# Altium PCB MLB_REV1.PcbDoc (part 2 of 4)
Units mm, origin at the board's own origin, x right, y up, seen from the top; angles counter-clockwise.
Board outline 150 x 100 mm, 4 copper layers (Top Layer, GND, Power, Bottom Layer), stack 0.603 mm thick; 296 components, 218 nets, 1001 pads, 657 vias.
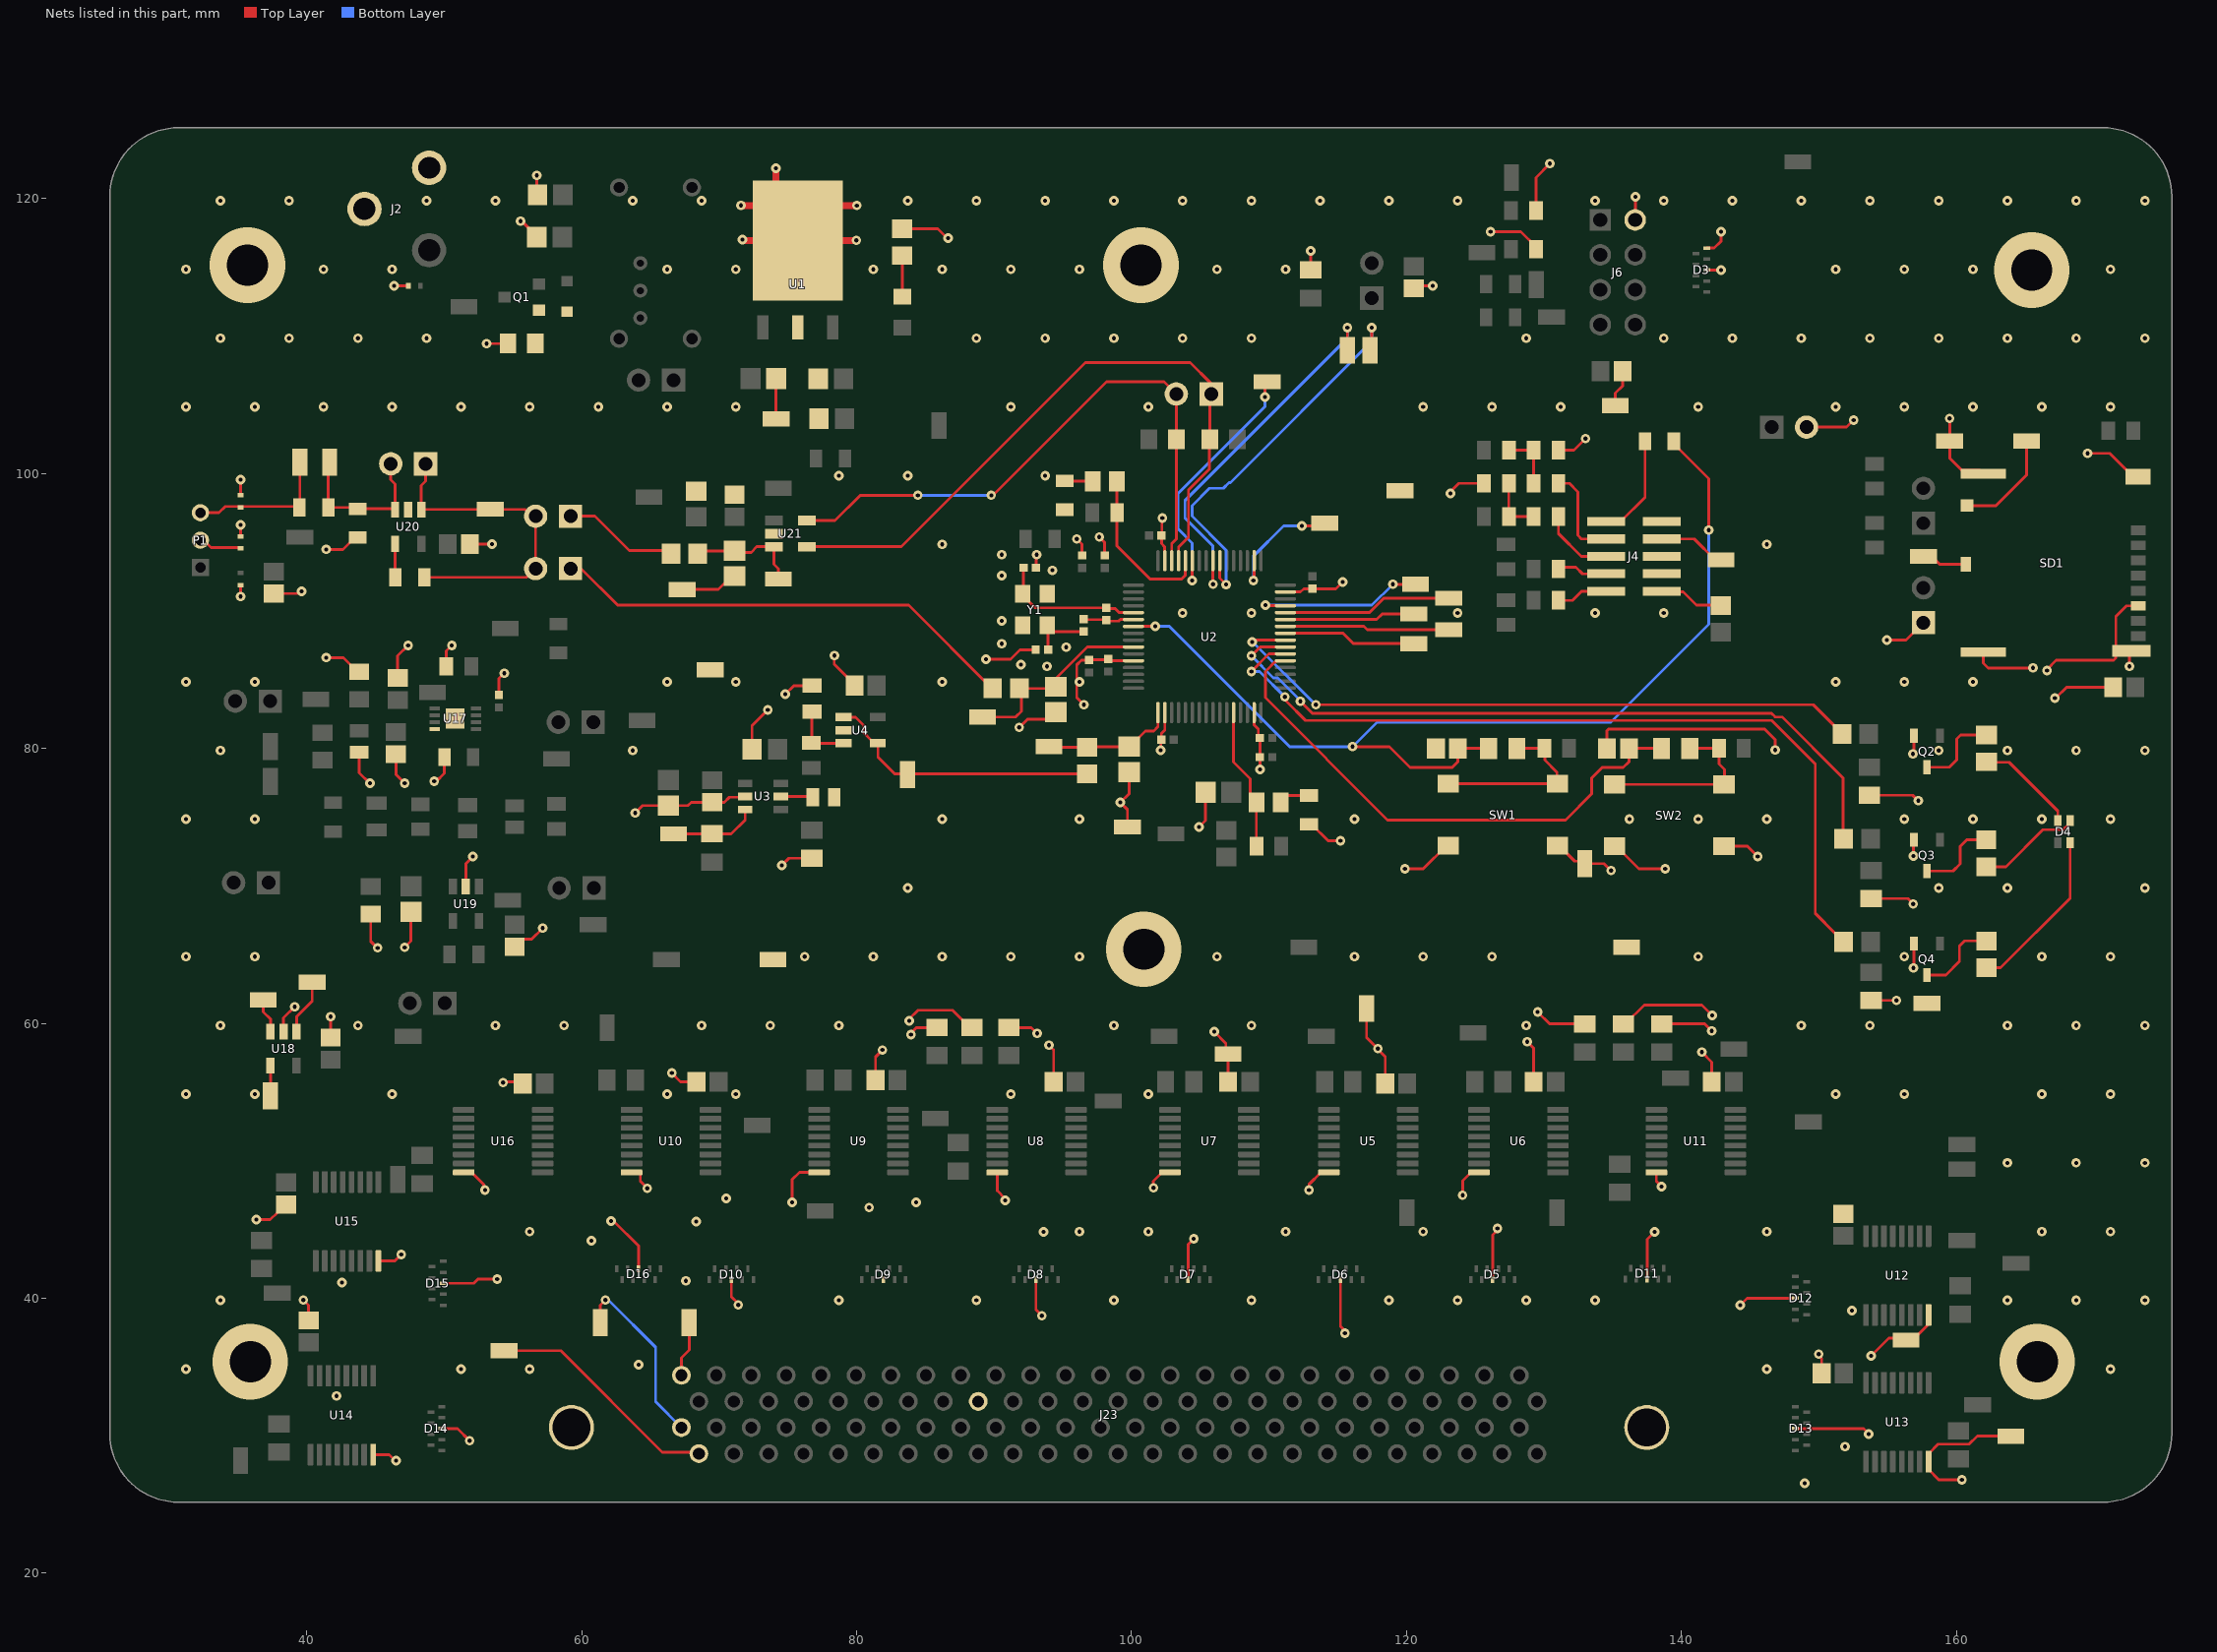
[diagram p4: the nets of this part, all layers, seen from the top]

## Part data (continued)
DS1: library part CMP-2000-05655-1, "Single Color, 2 V, -30 to 85 degC, 2-Pin SMD (0805), RoHS, Tape and Reel", Emitting Color=YellowGreen, Forward Current=25mA, Forward Voltage=2.4V, Manufacturer=Dialight, Manufacturer Part Number=5988170107F, Operating Temp Range=-30Cto85C, Operating Temperature Classification=Commercial, Package Description="2-Pin Surface Mount Device, Body 2 x 1.25 mm", Package Reference=0805, Package Type=SMD, Power Dissipation=60W, Reverse Voltage=5V, Supplier Part Number=350-2044-1-ND, Test Current (It)=20mA, Chip Material=GaP, Datasheet URL=https://datasheet.ciiva.com/22748/1484480-22748121.pdf, Datasheet Version=10/2008, DELETED=Compliant, Dominant Wave Length=570nm, High Brightness=No, Lens Dimensions=1.4x1.25x0.4mm, Lum Intensity=20mcd, Luminous Intensity=20mcd, Main Category=ChipLED, Manufacturer URL=http://www.dialight.com/, Mounting=SurfaceMount, Mounting Technology=SurfaceMount, Number of  Elements=1, Packaging=TapeandReel, Pin Count=2, Product Depth (mm)=1.25mm, Product Height (mm)=0.7mm, Product Length (mm)=2mm, Rad Hardened=No, Shape Type=Rectangular, Supplier=Digi-Key, Type=Uni-Color, Viewing Angle=140deg
J1: "No Description Available", Manufacturer="Nidec Copal Electronics", Supplier Part Number=563-1556-ND, Copyright="Copyright (C) 2022 Ultra Librarian. All rights reserved.", Manufacturer Part Number=MFS101D-8-Z, RefDes=RefDes, Supplier=Digi-Key, Type=DEV
J2: "Through Hole Right Angle DC Power Jack, 5 A, 2.5 mm Center Pin, 3 Position, -25 to 85 degC, RoHS, Bulk", Current Rating=5A, Flammability Rating=UL94V-0, Insulation Resistance=100MOhms, Manufacturer="CUI Devices", Operating Temperature Range=-25Cto+85C, Package Description="3-Pin Through Hole Device, Body 14.4 x 9 mm, Height 11 mm", Supplier Part Number=CP-102BH-ND, Voltage Rating=24V, Brand=CUI, Connector Type=DCPowerJack, Contact Gender=Male, Contact Material=Copper, Contact Plating=Nickel, Datasheet URL=http://www.cui.com/product/resource/pj-102bh.pdf, Datasheet Version="Rev. 1.02, 05/2016", Factory Pack Quantity=280, Housing Material=PolybutyleneTerephthalate(PBT), Inside Contact Diameter=2.5mm, Manufacturer Part Number=PJ-102BH, Manufacturer URL=http://www.cui.com/, Mounting Angle=Right, Mounting Style=ThroughHole, Mounting Technology=ThroughHole, Outside Contact Diameter=6.5mm, Package Reference=PJ-102BH, Product=Jacks, Product Category=DCPowerConnectors, RoHS=True, Supplier=Digi-Key, Termination Style=ThroughHole
J3 J8 J9 J10 J11 J12 J13 J15 J18 J19 J22 J25 J28 J29: "Connector Header Through Hole 2 position", Manufacturer="TE Connectivity AMP Connectors", Package=None, Supplier Part Number=A121364-ND, Availability=Unavailable, EU_RoHS_Compliance=Compliant, Manufacturer Part Number=4-103328-1, MF="TE Connectivity", MP=4-103328-1, Price=None, SnapEDA_Link=https://www.snapeda.com/parts/4-103328-1/TE%20Connectivity%20AMP%20Connectors/view-part/2384420/?ref=snap, Supplier=Digi-Key, TE_purchase_URL=https://www.te.com/usa-en/product-4-103328-1.html?te_bu=Cor&te_type=disp&te_campaign=seda_glo_cor-seda-global-disp-prtnr-fy19-seda-model-bom-cta_sma-317_1&elqCampaignId=32493
J4: "CONN HEADER SMD 10POS 1.27MM", Manufacturer="CNC Tech", Supplier Part Number=1175-1629-ND, Manufacturer Part Number=3220-10-0300-00, Supplier=Digi-Key
J6: "CONN HDR 8POS 0.1 TIN PCB", Current Rating=3A, Manufacturer="Sullins Connector Solutions", Supplier Part Number=S7072-ND, Temperature="-40°C to +105°C", Temperature Range High=+105°C, Temperature Range Low=-40°C, Voltage Rating=250V, Automotive=No, Category=Conn, ComponentLink2Description=Datasheet, ComponentLink2URL=https://drawings-pdf.s3.amazonaws.com/10492.pdf, Conn Gender=Female, Conn Orientation=Straight, Contact Material=Tin,Nickel, Device Class L1=Connectors, Device Class L2="Headers and Wire Housings", Device Class L3=unset, Digikey Description="CONN HDR 8POS 0.1 TIN PCB", Height=8.65mm, Is Female=yes, Lead Free=Yes, Manufacturer Part Number=PPTC042LFBN-RC, Number Of Contacts=8, Number Of Rows=2, Octopart=https://octopart.com/pptc042lfbn-rc-sullins-271088, Package=PPTC042LFBN-RC, Pitch=2.54mm, RoHS=TRUE, Supplier=Digi-Key
J23: "No Description Available", Manufacturer="TE Connectivity AMP Connectors", Mfr_Name="TE Connectivity", Supplier Part Number=A35091-ND, Copyright="Copyright (C) 2022 Ultra Librarian. All rights reserved.", Digi-Key_Part_Number_1=A35091-ND, Manufacturer Part Number=1-787082-8, Manufacturer_Part_Number=1-787082-8, RefDes=RefDes, Supplier=Digi-Key, Type=DEV
P1: library part CMP-2000-05595-1, "Male Header, Pitch 2 mm, 1 x 3 Position, Height 5.5 mm, Tail Length 3.2 mm, -40 to 105 degC, RoHS, Bulk", Manufacturer=Molex, Manufacturer Part Number=0353630360, Package Description="Male Header, Pitch 2 mm, 1 x 3 Position, Height 5.5 mm, Tail Length 3.2 mm", Supplier Part Number=WM18932-ND, Category=ConnectorHeadersandPCBReceptacles, Datasheet URL=http://www.molex.com/pdm_docs/sd/353630360_sd.pdf, Datasheet Version="Rev. G, 01/2012", Gender=HDR, Manufacturer URL=http://www.molex.com/, Mounting Technology=ThroughHole, Number Of Contacts=3, Number Of Rows=1, Package Reference=35363-0360, Pitch=2mm, Supplier=Digi-Key, Termination Method=Solder, Type=WiretoBoard
Q1: "MOSFET (P-Channel)", Manufacturer="Alpha & Omega Semiconductors", Supplier Part Number=785-1016-1-ND, Arrow Part Number=AO3423, Arrow Price/Stock=https://www.arrow.com/en/products/ao3423/alpha-and-omega-semiconductor?region=nac, Datasheet Link=http://www.aosmd.com/pdfs/datasheet/AO3423.pdf, Height=1.25mm, Manufacturer Part Number=AO3423, Supplier=Digi-Key
Q2 Q3 Q4: "No Description Available", Mfr_Name="ROHM Semiconductor", Copyright="Copyright (C) 2022 Ultra Librarian. All rights reserved.", Digi-Key_Part_Number_1=RK7002BMT116CT-ND, Digi-Key_Part_Number_2=RK7002BMT116DKR-ND, Digi-Key_Part_Number_3=RK7002BMT116TR-ND, Manufacturer_Part_Number=RK7002BMT116, RefDes=RefDes, Type=DEV
R1 R2 R3 R4 R13 R14 R15 R22 R25 R28 R29 R30 R31 R32 R34 R53 R76 R81 R82: library part CMP-1659-00013-4, "Chip Resistor, 10 KOhm, +/- 1%, 0.125 W, -55 to 155 degC, 0805 (2012 Metric), RoHS, Tape and Reel", Manufacturer=Yageo, Max Operating Temperature="155 degC", Min Operating Temperature="-55 degC", Package Quantity=5000, Tolerance=1%, Voltage Rating="150 V", ComponentLink1Description="Manufacturer URL", ComponentLink1URL=http://www.yageo.com/, ComponentLink2Description=Datasheet, ComponentLink2URL=http://www.yageo.com/documents/recent/PYu-RC_Group_51_RoHS_L_04.pdf, DatasheetVersion="Rev. 4, 02/2016", Height="0.5 mm", Length="2 mm", Manufacturer Part Number=RC0805FR-0710KL, Mount="Surface Mount", Mounting Technology="Surface Mount", PackageDescription="2-Pin Surface Mounted Device, Body 2 x 1.25 mm", PackageReference=0805, Packaging="Tape and Reel", Pins=2, REACH SVHC="No SVHC", RoHSCompliant=true, Supplier=Digi-Key, Supplier Part Number=RC0805FR-0710KL
R5 R12 R37 R38 R40 R41 R43 R44 R47 R48 R54: library part CMP-26527-001731-1, "100Ω ±1% 0.125W 0805 Thick Film Chip Resistor AEC-Q200 compliant", Case Code (Imperial)=0805, Case Code (Metric)=2012, Manufacturer="Stackpole Electronics Inc", Max Operating Temperature=155°C, Max Power Dissipation=125mW, Min Operating Temperature=-55°C, Power Rating=250mW, Resistance=100R, Resistor Type="Thick Film", Supplier Part Number=RMCF0805FT100RCT-ND, Temperature Coefficient=100ppm/°C, Tolerance=1%, Case/Package=0805, Construction=Rectangular, Contact Plating=Tin, Depth=1.25mm, Features="Automotive AEC-Q200", Height=0.026inch, Lead Free="Lead Free", Length=2mm, Manufacturer Part Number=RMCF0805FT100R, Military Standard=Not, Mount="Surface Mount", Number of Terminations=2, Packaging="Tape and Reel", Radiation Hardening=No, RoHS Compliant=Yes, Series=RMCF, Size Code=0805, Supplier=Digi-Key, Width=0.049inch
R6 R7 R8 R9: library part CMP-1659-00015-4, "Chip Resistor, 33 Ohm, +/- 1%, 0.125 W, -55 to 155 degC, 0805 (2012 Metric), RoHS, Tape and Reel", Manufacturer=Yageo, Max Operating Temperature="155 degC", Min Operating Temperature="-55 degC", Package Quantity=5000, Package Reference=0805, Resistance=33R, Supplier Part Number=311-33.0CRCT-ND, Tolerance=1%, Voltage Rating="150 V", ComponentLink1Description="Manufacturer URL", ComponentLink1URL=http://www.yageo.com/, ComponentLink2Description=Datasheet, ComponentLink2URL=http://www.yageo.com/documents/recent/PYu-RC_Group_51_RoHS_L_04.pdf, DatasheetVersion="Rev. 4, 02/2016", Height="0.5 mm", Length="2 mm", Manufacturer Part Number=RC0805FR-0733RL, Mount="Surface Mount", Mounting Technology="Surface Mount", PackageDescription="2-Pin Surface Mounted Device, Body 2 x 1.25 mm", PackageReference=0805, Packaging="Tape and Reel", Pins=2, REACH SVHC="No SVHC", RoHSCompliant=true, Supplier=Digi-Key
R10 R17 R20 R27 R33 R35 R74 R75 R85 R88 R89 R91 R92 R94: library part CMP-26527-000017-1, "RES 0 OHM JUMPER 1/8W 0805", Case Code (Imperial)=0805, Case Code (Metric)=2012, Manufacturer="Stackpole Electronics Inc", Max Operating Temperature=155°C, Max Power Dissipation=125mW, Min Operating Temperature=-55°C, Resistance=0R, Supplier Part Number=RMCF0805ZT0R00CT-ND, Case/Package=0805, Composition="Thick Film", Contact Plating=Tin, Depth=1.25mm, Features="Automotive AEC-Q200", Height=0.026inch, Lead Free="Lead Free", Length=2mm, Manufacturer Part Number=RMCF0805ZT0R00, Military Standard=Not, Mount="Surface Mount", Number of Terminations=2, Packaging="Tape and Reel", Power Rating=125mW, Radiation Hardening=No, Supplier=Digi-Key, Width=0.049inch
R11 R18 R19 R77 R79: library part CMP-2100-03671-1, "Chip Resistor, 1 KOhm, +/- 1%, 125 mW, -55 to 155 degC, 0805 (2012 Metric), RoHS, Tape and Reel", Case Code (Imperial)=0805, Case Code (Metric)=2012, Manufacturer=Yageo, Max Operating Temperature=155degC, Max Power Dissipation=125mW, Min Operating Temperature=-55degC, Package Description="2-Pin Surface Mounted Device, Body 2 x 1.25 mm", Package Quantity=1, Resistance=1K, Supplier Part Number=311-1.00KCRCT-ND, Temperature Coefficient=100ppm/degreesC, Tolerance=1%, Voltage Rating=150V, Case/Package=0805, Composition=ThickFilm, Datasheet URL=http://www.yageo.com/NewPortal/yageodocoutput?fileName=/pdf/R-Chip/PYu-RC_Group_51_RoHS_L_5.pdf, Datasheet Version="Rev. 5, 10/2016", Depth=1.25mm, Height=0.024inch, Lead Free=LeadFree, Length=0.079inch, Manufacturer Part Number=RC0805FR-071KL, Manufacturer URL=http://www.yageo.com/, Military Standard=Not, Number of Pins=2, Number of Terminations=2, Package Reference=0805, Packaging=TapeandReel, Power Rating=125mW, REACH SVHC=Unknown, RoHSCompliant=true, Supplier=Digi-Key, Termination=SMD/SMT, Voltage Rating (DC)=150V, Width=0.049inch
R16 R24: library part CMP-2001-00216-1_1, Manufacturer=Panasonic, Package Reference=0805, Resistance=510, Supplier Part Number=P510CCT-ND, Tolerance=1%, Manufacturer Part Number=ERJ-6ENF5100V, Supplier=Digi-Key
R21: library part CMP-03211-005885-1, "Res Thick Film 0402 1M Ohm 1% 0.063W(1/16W) ±100ppm/C Pad SMD Automotive T/R", Ambient Temperature Range High=+70°C, Manufacturer="TE Connectivity Passive Product", Package=CRGCQ0402, Package Reference=0402, Power Rating=0.0625W, Resistance=1MΩ, Supplier Part Number=A129663CT-ND, Temperature="-55°C to +155°C", Temperature Coefficient=±100ppm/°C, Temperature Range High=+155°C, Temperature Range Low=-55°C, Tolerance=1%, Voltage Rating=50V, Automotive=Yes, Category=Res, ComponentLink2Description=Datasheet, ComponentLink2URL=https://www.te.com/commerce/DocumentDelivery/DDEController?Action=showdoc&DocId=Data+Sheet%7F1773204-3%7F1%7Fpdf%7FEnglish%7FENG_DS_1773204-3_1.pdf%7F4-2176347-1378, Composition="Thick Film", Device Class L1="Passive Components", Device Class L2=Resistors, Device Class L3="Chip SMD Resistors", Digikey Description="Res Thick Film 0402 1M Ohm 1% 0.063W(1/16W) ±100ppm/C Pad SMD Automotive T/R", Height=0.4mm, Ipc Land Pattern Name=RESC10050X35, Lead Free=Yes, Manufacturer Part Number=CRGCQ0402F1M0, Mouser Description="Res Thick Film 0402 1M Ohm 1% 0.063W(1/16W) ±100ppm/C Pad SMD Automotive T/R", Octopart=https://octopart.com/crgcq0402f1m0-te+connectivity-91017950, RoHS=TRUE, Series=CRGCQ, Supplier=Digi-Key
R23: library part CMP-2002-07511-1, Manufacturer=YAGEO, Package Reference=0402, Resistance=220R, Supplier Part Number=311-220LRCT-ND, Tolerance=1%, Manufacturer Part Number=RC0402FR-07220RL, Supplier=Digi-Key
R26 R36 R42 R45 R46 R49 R51 R52 R56 R57 R58 R59 R60 R61 R62 R63 R64 R65 R66 R67 R68 R69 R70 R71 R72 R73: library part CMP-2001-04968-1, Manufacturer="Vishay Dale", Package Reference=0805, Supplier Part Number=541-3019-1-ND, Tolerance=1%, Manufacturer Part Number=CRCW080515K0FKTA, Supplier=Digi-Key
R39: library part CMP-2001-00110-5, "Chip Resistor, 300 Ohm, +/- 1%, 0.125 W, -55 to 155 degC, 0805 (2012 Metric), RoHS, Tape and Reel", Manufacturer=Panasonic, Max Operating Temperature="155 degC", Min Operating Temperature="-55 degC", Package Quantity=5000, Resistance=300R, Supplier Part Number=P300CCT-ND, Tolerance=1%, Voltage Rating="150 V", ComponentLink1Description="Manufacturer URL", ComponentLink1URL=http://www.panasonic.com/, ComponentLink2Description=Datasheet, ComponentLink2URL=http://industrial.panasonic.com/cdbs/www-data/pdf/RDA0000/AOA0000C86.pdf, DatasheetVersion=04/2015, Height="0.6 mm", Length="2 mm", Manufacturer Part Number=ERJ-6ENF3000V, Mount="Surface Mount", Mounting Technology="Surface Mount", PackageDescription="2-Pin Surface Mount Device, Body 2 x 1.25 mm", PackageReference=0805, Packaging="Tape and Reel", REACH SVHC=Yes, RoHSCompliant=true, Supplier=Digi-Key
R50: library part CMP-03211-004185-1, "CRGCQ0805 68KΩ 0.125W ±100ppm/°C 1% 150V", Ambient Temperature Range High=+70°C, Manufacturer="TE Connectivity Passive Product", Package=CRGCQ0805, Package Reference=0805, Power Rating=0.125W, Resistance=68KΩ, Supplier Part Number=A129771CT-ND, Temperature="-55°C to +155°C", Temperature Coefficient=±100ppm/°C, Temperature Range High=+155°C, Temperature Range Low=-55°C, Tolerance=1%, Voltage Rating=150V, Automotive=Yes, Automotive Grade="Grade 1103", Category=Res, ComponentLink2Description=Datasheet, ComponentLink2URL=https://www.te.com/commerce/DocumentDelivery/DDEController?Action=showdoc&DocId=Data+Sheet%7F1773204-3%7F1%7Fpdf%7FEnglish%7FENG_DS_1773204-3_1.pdf%7F4-2176341-1112, Composition="Thick Film", Device Class L1="Passive Components", Device Class L2=Resistors, Device Class L3="Chip SMD Resistors", Height=0.65mm, Ipc Land Pattern Name=RESC200125X55, Lead Free=Yes, Manufacturer Part Number=CRGCQ0805F68K, Octopart=https://octopart.com/crgcq0805f68k-te+connectivity-91018191, RoHS=TRUE, Series=CRGCQ, Supplier=Digi-Key
R55 R83: library part CMP-1013-00655-1, "20K 0.125W 1% 0805 (2012 Metric)  SMD", Case-EIA=0805, Case-Metric=2012, Manufacturer=YAGEO, Manufacturer Part Number=RC0805FR-0720KL, Power="0.125 W", Supplier Part Number=311-20.0KCRCT-ND, Tolerance="1 %", Supplier=Digi-Key, Technology=SMT
R80 R84: library part CMP-2001-00401-1, Manufacturer=Panasonic, Package=0805, Supplier Part Number=P33KACT-ND, Tolerance=1%, Manufacturer Part Number=ERJ-6GEYJ333V, Part Number=ERJ-6GEYJ333V, Supplier=Digi-Key
R86: library part CMP-2001-04024-2, "RES Thick Film, 5.1kΩ, 1%, 0.125W, 100ppm/°C, 0805", Case Code (Imperial)=0805, Case Code (Metric)=2012, Manufacturer="Vishay Dale", Manufacturer Part Number=CRCW08055K10FKEAC, Max Operating Temperature=155°C, Max Power Dissipation=125mW, Min Operating Temperature=-55°C, Package Quantity=10, Resistance=5.1K, Supplier Part Number=541-CRCW08055K10FKEACCT-ND, Temperature Coefficient=100ppm/°C, Tolerance=1%, Voltage Rating=150V, Case/Package=0805, Composition="Thick Film", Contact Plating=Tin, Depth=1.25mm, Features="Automotive AEC-Q200", Height=0.45mm, Lead Free="Lead Free", Length=2mm, Military Standard=Not, Mount="Surface Mount", Number of Terminations=2, Packaging="Tape and Reel", Power Rating=125mW, Radiation Hardening=No, Supplier=Digi-Key, Termination=SMD/SMT, Voltage Rating (DC)=150V, Weight=0.000194oz, Width=0.049inch
R87: library part CMP-2000-06961-1, "Chip Resistor, 470 Ohm, +/- 1%, 125 mW, -55 to 155 degC, 0805 (2012 Metric), RoHS, Tape and Reel", Manufacturer=Yageo, Package Description="2-Pin Surface Mounted Device, Body 2 x 1.25 mm", Package Reference=0805, Power Rating=250mW, Resistance=470R, Resistance Tolerance=1%, Resistor Case Style=0805[2012Metric], Resistor Element Type=ThickFilm, Supplier Part Number=311-470CRCT-ND, Temperature Coefficient=±100ppm/°C, Voltage Rating=150V, Automotive Qualification Standard=-, Datasheet URL=http://www.yageo.com/documents/recent/PYu-RC_Group_51_RoHS_L_7.pdf, Datasheet Version="Rev. 7, 05/2017", Manufacturer Part Number=RC0805FR-07470RL, Manufacturer URL=http://www.yageo.com/, Mounting Technology=SurfaceMount, MSL=MSL1-Unlimited, Packaging=Tape&Reel, Product Range=-, Supplier=Digi-Key, SVHC=ToBeAdvised
SD1: "Micro SD Connector, Pitch 1.1 mm, 8 Position, Height 1.4 mm, -25 to 85 degC, RoHS, Tape and Reel", Current Rating=500mA, Manufacturer=Molex, Package Description="Micro SD Connector, Pitch 1.1 mm, 8 Position, Height 1.4 mm", Package Reference=503398-1892, Supplier Part Number=WM11190CT-ND, Voltage Rating=10VAC/DC, Brand=Molex, Datasheet URL=http://www.molex.com/pdm_docs/sd/5033981892_sd.pdf, Datasheet Version="Rev. E, 04/2006", Factory Pack Quantity=2400, Manufacturer Part Number=5033981892, Manufacturer URL=http://www.molex.com/, Mounting Technology=SurfaceMount, Packaging=Reel, Product Category=MemoryCardConnectors, RoHS=Details, Series=503398, Supplier=Digi-Key
SW1 SW2: library part PTS645SM43SMTR92_LFS, "SWITCH TACTILE SPST-NO 0.05A 12V", Case/Package=SMD/SMT, Color=Black, Contact Resistance=100mR, Current Rating=50mA, Manufacturer=C&K, Manufacturer Part Number="PTS645SM43SMTR92 LFS", Max Operating Temperature=60°C, Max Voltage Rating (DC)=12V, Min Operating Temperature=-20°C, Operating Force=160gf, Package Quantity=1, Supplier Part Number=CKN9112CT-ND, Actuator Length=0.85mm, Actuator Material=Nylon, Actuator Type=Standard, Contact Material=Silver, Contact Plating=Silver, Depth=9mm, Illumination Type=Non-Illuminated, Lead Free="Lead Free", Length=6mm, Max Current Rating=50mA, Mechanical Life=100000Cycles, Mount="Surface Mount", Orientation=Straight, Packaging="Tape and Reel", REACH SVHC="No SVHC", Supplier=Digi-Key, Switch Function=Off-Mom, Termination="Gull Wing", Throw Configuration=SPST, Voltage Rating (DC)=12V
TP1 TP2 TP3 TP4 TP5 TP6 TP7 TP8 TP9 TP10 TP11 TP12 TP13 TP14 TP15 TP16 TP17 TP18 TP19 TP20 TP21 TP22 TP23 TP24 TP25 TP26 TP27 TP28 TP29 TP30 TP31 TP32 TP33 TP34 TP35 TP36 TP37 TP38 TP39 TP40 TP41 TP42 TP43 TP44 TP45 TP46 TP47 TP48 TP49 TP50 TP51 TP52 TP53 TP54 TP55 TP56 TP57 TP58 TP59 TP60 TP61 TP62 TP63 TP64 TP65 TP66 TP67 TP68 TP69 TP70 TP71 TP72 TP73 TP74 TP75 TP76 TP77 TP78 TP79 TP80 TP81 TP82 TP83 TP84 TP85: "Natural PC Test Point , Plating Surface Mount Mounting Type", Manufacturer="TE Connectivity AMP Connectors", Package="SON-6 TE Connectivity AMP Connectors", Supplier Part Number=A106145CT-ND, Check_prices=https://www.snapeda.com/parts/RCU-0C/TE%20Connectivity/view-part/4791537/?ref=eda, Manufacturer Part Number=RCU-0C, Purchase-URL=https://pricing.snapeda.com/search/part/RCU-0C/?ref=eda, SnapEDA_Link=https://www.snapeda.com/parts/RCU-0C/TE%20Connectivity/view-part/4791537/?ref=snap, Supplier=Digi-Key
U1: "IC REG LINEAR 3.3V 3A SPAK-3", Manufacturer="Microchip Technology", Supplier Part Number=MIC37300-3.3WR-CT-ND, Copyright="Copyright (C) 2022 Ultra Librarian. All rights reserved.", Manufacturer Part Number=MIC37300-3.3WR-TR, RefDes=RefDes, Supplier=Digi-Key, Type=DEV
U2: library part CMP-0236-00055-2, "ARM Cortex-M3 32-bit MCU, 128 KB Flash, 16 KB Internal RAM, 51 I/Os, 64-pin LQFP, -40 to 85 degC, Tray", I/Os (High Current)=51, Manufacturer=STMicroelectronics, Operating Frequency(F) (Processor speed) (MHz)=32, Supplier Part Number=511-STM32L152RBT6A, Supply Voltage(Vcc) min (V)=1.65, ComponentLink1Description="Manufacturer URL", ComponentLink1URL=http://www.st.com/web/en/home.html, ComponentLink2Description=Datasheet, ComponentLink2URL=http://www.st.com/st-web-ui/static/active/en/resource/technical/document/datasheet/CD00277537.pdf, ComponentLink3Description="Package Specification", ComponentLink3URL=http://www.st.com/st-web-ui/static/active/en/resource/technical/document/datasheet/DM00037051.pdf, Core="ARM Cortex-M3", D/A Converter="2x12-bit (2 Channel)", Data E2PROM nom (B)=4096, DatasheetVersion="Rev. 8", FLASH Size (Prog) (kB)=128, Internal RAM Size (kB)=16, Manufacturer Part Number=STM32L152RBT6A, Mounting Technology="Surface Mount", PackageDescription="64-Pin Low Profile Quad Flat Package, 10 x 10 mm Body, 0.5 mm Pitch", PackageReference=LQFP64, PackageVersion="Rev. 4, 06/2013", Packing=Tray, PartNumber=STM32L152RBT6A, Supplier=Mouser
U3: "Integrated Circuit", Manufacturer="Diodes Inc.", Supplier Part Number=AP22615AWU-7DICT-ND, Arrow Part Number=AP22615AWU-7, Arrow Price/Stock=https://www.arrow.com/en/products/ap22615awu-7/diodes-incorporated, Datasheet Link=https://www.diodes.com/assets/Datasheets/AP22815-615.pdf, Height=1mm, Manufacturer Part Number=AP22615AWU-7, Supplier=Digi-Key